# Altium PCB Quark.PcbDoc (part 3 of 4) (continued)
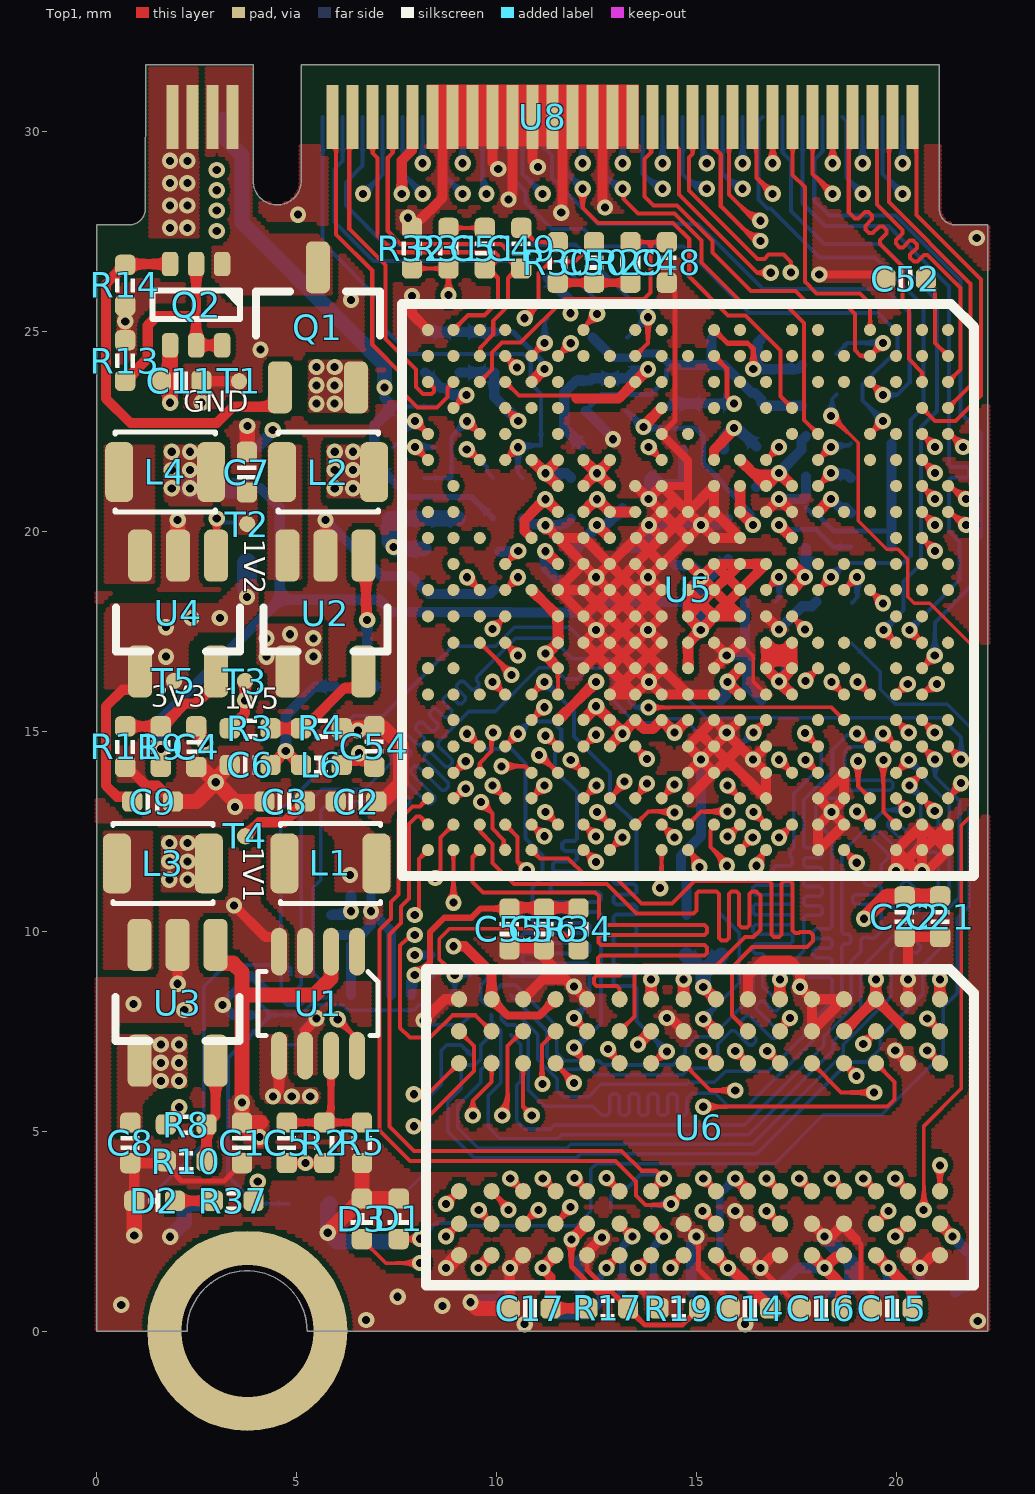
[diagram p0: Top1 view]
## Nets (pads, with @x,y where several pads share a name; then routed paths per layer and width w, separated by ;. In a path a pad name is that pad's centre, name@x,y a point inside that pad or via, vN(x,y) a via of type N, cw(c..) or ccw(c..) an arc to the next point about the centre after c; other vN are vias at no path point) (continued)
USB-DP2: U5.A7 U8.57 | length 19.4
  Top1 w0.102: U8.57@15.894,30.356 15.894,29.711 15.801,29.618 15.801,28.42 16.002,28.219 v1@16.586,27.635 ; U5.A7@21.33,21.133 v1@21.655,20.808
  Signal5 w0.102: v1@16.669,27.762 v1(16.586,27.762) 16.504,27.762 16.379,27.637 16.188,27.637 15.9,27.35 15.9,25.65 17.602,23.949 17.602,19.858 18.064,19.395 19.396,19.395 20.041,18.75 21.341,18.75 22.098,19.507 22.098,20.442 v1(21.731,20.808)
USB-DP3: U5.B8 U8.53 | length 14.5
  Top1 w0.102: U8.53@14.894,30.356 14.894,29.434 14.801,29.341 14.801,28.522 16.516,26.806 16.687,26.806 16.794,26.914 17.17,26.914 17.348,26.736 v1(17.348,26.467) ; U5.B8@20.629,20.483 v1(20.954,20.158)
  Signal5 w0.102: v1(17.348,26.467) 17.348,26.384 17.223,26.26 17.223,26.058 19.152,24.13 19.152,21.234 20.426,19.96 20.743,19.96 20.941,20.158 v1(20.954,20.158)
VCC-DRAM: C13.2 C14.2 C15.2 C16.2 C17.2 C18.2 C19.2 C20.2 C23.2 L2.2 R3.1 R17.2 T3.0 U5.L16 U5.M16 U5.N16 U5.P16 U5.P17 U5.R16 U5.T12 U5.T13 U5.T14 U5.T15 U5.U11 U6.A1 U6.A8 U6.B2 U6.C1 U6.C9 U6.D2 U6.D9 U6.E9 U6.F1 U6.G7 U6.H2 U6.H9 U6.K2 U6.K8 U6.N1 U6.N9 U6.R1 U6.R9 | length 48.1
  Top1 w0.089: U5.T15@11.528,15.917 U5.T14@11.528,16.577
  Top1 w0.102: U6.R1@9.854,8.301 U6.R1@9.867,8.288
  Top1 w0.203: U6.R1@9.867,8.301 9.867,8.288 10.261,7.894 11.061,7.894 U6.N1@11.467,8.301
  Top1 w0.254: R3.1@3.324,15.072 3.705,15.453 v1(3.705,15.773) T3.0@3.705,16.256 ; v1(8.912,9.627) 9.195,9.627 9.867,8.954 U6.R1@9.867,8.301 ; v1(9.537,1.583) U6.R9@9.854,1.9 ; U5.U11@10.868,18.533 U5.T12@11.528,17.873 U5.T13@11.528,17.212 11.211,16.895 U5.T14@11.528,16.577 ; U6.N9@11.467,1.9 11.455,1.9 v1(11.137,1.583) 11.137,1.559 11.339,1.358 C17.2@11.339,0.569 11.344,0.574 R17.2@12.263,0.574 ; U5.R16@12.163,15.282 12.481,15.599 12.506,15.599 U5.P16@12.824,15.282 v1@13.141,14.964 ; U5.P17@12.824,14.622 12.824,14.635 12.849,14.661 12.849,14.672 v1@13.141,14.964 ; v1(13.525,7.17) U6.K2@13.842,7.488 ; U6.K8@13.855,2.688 v1(14.173,2.37) ; U5.L16@14.779,15.282 14.766,15.282 14.74,15.257 14.729,15.257 v1(14.436,14.964) U5.M16@14.119,15.282 13.894,15.057 13.684,15.057 U5.N16@13.459,15.282 v1@13.141,14.964 ; v1(15.157,7.805) U6.H2@15.474,7.488 ; U6.H9@15.461,1.9 v1(15.779,1.583) 15.808,1.553 15.871,1.553 16.708,0.716 16.708,0.701 C14.2@16.835,0.574 ; v1(15.957,3.818) U6.G7@16.274,3.5 ; U6.F1@17.074,8.301 v1(17.074,8.796) ; U6.E9@17.874,1.9 v1(18.192,1.583) ; C16.2@18.613,0.574 18.613,1.161 v1(18.192,1.583) ; U6.D9@18.674,1.9 18.645,1.871 18.48,1.871 v1(18.192,1.583) ; U6.D2@18.674,7.501 U6.C1@19.474,8.301 ; U6.C9@19.474,1.9 v1(19.792,1.583) 20.364,1.011 20.364,0.602 C15.2@20.391,0.574 ; v1(19.474,8.796) U6.C1@19.474,8.301 ; U6.B2@20.274,7.501 U6.C1@19.474,8.301 ; U6.A8@21.074,2.688 v1(21.392,2.37) ; U6.A1@21.074,8.301 v1(21.074,8.796)
  Signal2 w0.254: v1(3.705,15.773) 3.705,15.815 3.823,15.933 3.823,17.632 5.004,18.813 5.004,20.162 5.915,21.073 v1(5.945,21.073) ; v1(11.211,16.946) 11.553,16.946 12.014,16.485 12.014,16.091 v1(12.481,15.625)
  Bottom6 w0.089: v1(15.157,7.805) 16.053,8.701 16.053,9.967 C23.2@15.638,10.382
  Bottom6 w0.102: C23.2@15.606,10.414 C23.2@15.638,10.382
  Bottom6 w0.178: C20.2@13.843,0.965 13.919,1.041 13.919,2.117 v1(14.173,2.37) ; v1(15.779,1.583) 15.779,1.592 15.57,1.801 15.57,3.431 v1(15.957,3.818)
  Bottom6 w0.254: v1(15.779,1.583) 16.396,0.965 C19.2@16.891,0.965 17.508,1.583 v1(18.192,1.583) ; C13.2@19.685,0.965 19.792,1.072 v1(19.792,1.583) ; v1(21.392,2.37) 21.869,1.892 21.869,1.241 21.721,1.092 21.582,1.092 C18.2@21.455,0.965
  other v1: 13.141,14.939 6.403,21.073 5.945,21.53 6.403,21.53 5.945,21.988 6.403,21.988
VDD1V1-EPHY: C38.2 R7.2 U5.F8 | length 2
  Top1 w0.254: U5.F8@18.029,20.483 v1(18.354,20.808)
  Bottom6 w0.254: R7.2@3.75,21.986 3.877,22.113 4.028,22.113 4.365,22.45 4.365,22.501 v1(4.394,22.53) v1@4.394,22.57 ; v1@18.364,20.803 18.367,20.803 18.579,20.59 18.72,20.59 C38.2@18.847,20.463
VDD1V2-SYS: C7.2 C34.2 C35.2 C36.2 L4.2 R7.1 R9.2 T2.0 U5.H10 U5.J10 U5.J11 U5.J12 U5.K10 U5.K11 U5.K12 U5.L10 U5.L11 U5.L12 U5.L13 U5.L14 | length 36.5
  Top1 w0.254: R9.2@1.596,14.107 1.598,14.109 1.598,14.552 v1(1.6,14.554) v1@1.596,14.558 ; U5.L14@14.779,16.577 U5.L13@14.779,17.212 v1(15.097,17.53) ; U5.L11@14.779,18.533 U5.L12@14.779,17.873 14.779,17.859 14.805,17.834 14.805,17.822 v1(15.097,17.53) ; U5.L10@14.779,19.183 v1(15.104,18.858) ; U5.L12@14.816,17.92 U5.K11@15.429,18.533 v1(15.104,18.858) ; U5.L11@14.816,18.486 U5.K12@15.429,17.873 ; U5.L11@14.816,18.57 v1(15.104,18.858) ; U5.K12@15.466,17.92 U5.J11@16.079,18.533 15.754,18.858 ; U5.K11@15.466,18.486 U5.J12@16.079,17.873 15.44,17.873 v1(15.097,17.53) ; U5.K11@15.466,18.57 15.754,18.858 ; U5.K10@15.466,19.146 15.754,18.858 ; U5.J11@16.116,18.57 U5.H10@16.729,19.183 U5.J10@16.079,19.183 ; v1(15.104,18.858) U5.K10@15.429,19.183 U5.J10@16.079,19.183 ; 15.754,18.858 U5.J10@16.079,19.183
  Bottom6 w0.254: v1(1.6,14.554) 1.6,15.316 4.572,18.288 ; R7.1@3.647,21.073 4.089,21.073 4.572,20.591 4.572,18.288 ; C34.2@14.436,19.177 14.465,19.148 14.872,19.148 15.134,18.887 15.362,18.887 C35.2@15.779,19.304 ; v1(15.097,17.53) 15.097,18.145 C36.2@15.189,18.237 C36.2@15.104,18.237 ; v1(15.104,18.858) C36.2@15.104,18.237 ; 4.572,18.288 7.058,18.288 7.363,17.983 10.338,17.983 10.351,17.97 12.329,17.97 12.595,18.237 C36.2@15.104,18.237
  Bottom6 w0.508: v1(2.329,21.073) R7.1@3.647,21.073
  other v1: 1.871,21.073 1.871,21.53 2.329,21.53 1.871,21.988 2.329,21.988
VDD-CPUS: C29.2 C30.2 U5.J7 U5.J8 U5.M4 | length 6.7
  Top1 w0.254: v1(13.665,22.606) 13.665,22.629 U5.M4@14.119,23.083 ; U5.J7@16.079,21.133 U5.J8@16.079,20.483 v1(16.404,20.158)
  Bottom6 w0.127: C30.2@13.233,23.01 13.638,22.606 v1(13.665,22.606) 13.691,22.581 14.961,22.581 15.164,22.377 15.164,21.692 C29.2@15.672,21.184 15.672,21.149 15.862,20.959 15.862,20.942 16.374,20.431 16.374,20.188 v1(16.404,20.158)
VDD-CPUX: C2.2 C3.2 C39.2 C40.2 C41.2 L1.2 R26.2 T4.0 U1.5 U5.N8 U5.P6 U5.P7 U5.P8 U5.P9 U5.R6 U5.R7 U5.R8 U5.T6 U5.T7 U5.T8 U5.U6 U5.U9 | length 33.5
  Top1 w0.254: T4.0@3.705,12.374 4.056,12.725 4.685,12.725 C3.2@5.203,13.244 ; v1(4.405,5.867) 4.553,6.016 U1.5@4.553,6.889 ; U5.U9@10.868,19.833 10.693,20.008 10.693,20.283 v1(11.211,20.801) U5.T8@11.528,20.483 ; U5.U6@10.868,21.783 v1@11.185,21.466 ; v1(11.211,21.451) U5.T7@11.528,21.133 ; v1@11.211,21.466 U5.T6@11.528,21.783 ; U5.R8@12.163,20.483 v1@12.481,20.801 ; U5.R7@12.163,21.133 v1@12.481,21.451 ; U5.R6@12.163,21.783 v1@12.481,21.466 ; v1(12.499,20.158) U5.P9@12.824,19.833 ; v1(12.506,20.801) U5.P8@12.824,20.483 U5.N8@13.459,20.483 ; U5.P7@12.824,21.133 v1(12.506,21.451) U5.P6@12.824,21.768
  Signal2 w0.254: v1(5.334,5.867) 6.858,7.391 6.858,9.017 7.271,9.43 7.271,11.405 ; v1(6.325,11.405) 7.271,11.405 ; v1(11.211,21.451) v1(11.211,20.801) ; v1(12.499,20.158) 12.499,20.793 v1(12.506,20.801) ; v1(12.506,21.451) v1(12.506,20.801) ; 7.271,11.405 7.271,15.878 9.982,18.589 9.982,19.572 v1(11.211,20.801) ; v1(11.211,20.801) v1(12.506,20.801)
  Bottom6 w0.254: v1(11.211,21.451) 11.74,21.451 C41.2@11.854,21.336 ; R26.2@11.854,19.456 12.469,20.071 12.469,20.129 v1(12.499,20.158) ; 12.757,20.187 C40.2@13.144,20.574
  other v1: 4.869,5.867
VDD_5V: C1.2 C4.2 C8.2 C11.2 Q1.2 Q2.4 U1.2 U2.4 U3.1 U3.4 U8.1 U8.3 | length 10.9
  Top1 w0.381: v1(1.83,23.214) Q2.4@1.83,24.648 ; C4.2@2.485,15.123 2.549,15.06 2.549,14.875 2.71,14.713 v1(2.71,14.707) ; U3.1@2.968,9.658 2.968,9.308 3.078,9.199 3.405,9.199 3.628,8.976 C1.2@3.628,5.217 ; 3.683,8.407 5.436,8.407 5.853,8.825 U1.2@5.853,9.489 ; v1@4.064,4.782 C1.2@3.628,5.217 ; 4.1,5.217 C1.2@3.628,5.217
  other v1: 4.064,4.858 3.628,5.715 1.598,6.253 2.055,6.253 1.598,6.711 2.055,6.711 1.598,7.168 2.055,7.168 4.242,16.866 5.41,16.866 4.242,17.323 5.41,17.323 4.826,17.424 5.486,23.19 5.944,23.19 5.486,23.647 5.944,23.647 5.486,24.105 5.944,24.105 1.829,27.584 2.261,27.584 1.829,28.143 2.261,28.143 1.829,28.702 2.261,28.702 1.829,29.261 2.261,29.261
VDD_AV_3.3V: C10.2 C12.2 C37.1 C42.2 L5.2 R21.2 R22.2 R23.2 R24.2 R27.1 R28.1 U5.G9 U5.K6 U5.N3 U5.V3 U8.6 | length 28.9
  Top1 w0.102: U5.V3@10.207,23.733 10.547,23.393 11.989,23.393
  Top1 w0.254: 11.989,23.317 13.043,23.317 U5.N3@13.459,23.733 v1(13.776,24.051) ; U5.K6@15.429,21.783 15.429,22.033 v1@15.875,22.479 ; v1(17.054,20.158) U5.G9@17.379,19.833
  Bottom6 w0.102: R27.1@7.403,23.114 R28.1@8.433,23.114
  Bottom6 w0.127: v1(17.054,20.158) 17.13,20.158 17.248,20.041 17.983,20.041 18.422,19.601 C42.2@18.847,19.601
  Bottom6 w0.152: C12.2@7.315,21.336 7.798,20.853 9.373,20.853 R22.2@9.906,20.32
  Bottom6 w0.254: U8.6@3.144,30.356 3.167,30.333 U8.6@3.167,29.853 ; v1(7.188,23.597) 7.188,23.329 R27.1@7.403,23.114 6.933,22.644 6.933,21.718 C12.2@7.315,21.336 ; R24.2@11.263,26.332 11.831,25.764 v1@11.831,25.456 ; v1@11.807,25.48 v1@11.831,25.456 ; v1(11.836,25.451) v1@11.831,25.456 ; R21.2@12.116,22.149 11.684,22.581 11.684,23.47 11.985,23.771 12.341,23.771 C10.2@12.395,23.825 R23.2@13.259,23.825 13.455,24.021 13.747,24.021 v1(13.776,24.051) ; C37.1@15.672,22.047 15.675,22.051 15.675,22.378 15.824,22.527 16.079,22.527 L5.2@16.485,22.121
  Bottom6 w0.381: U8.6@3.167,29.853 3.628,29.392 3.628,27.715 7.188,24.155 v1(7.188,23.597)
  other v1: 15.926,22.581
VDD_CPUFB: C5.2 R2.2 R26.1 U5.T10 | length 20.7
  Top1 w0.102: C5.2@4.746,4.204 v1(5.216,4.204) R2.2@5.686,4.204
  Top1 w0.254: v1(11.211,19.501) U5.T10@11.528,19.183
  Signal2 w0.102: v1(5.216,4.204) 5.216,5.013 7.214,7.01 7.214,8.763 7.595,9.144 7.595,15.773 10.236,18.415 10.668,18.415 11.211,18.958 v1(11.211,19.501)
  Bottom6 w0.254: v1(11.211,19.501) 11.211,19.084 R26.1@11.854,18.44
VDD_EMMC_3.3V: C54.2 C55.2 C56.2 L6.2 R34.1 U7.E6 U7.F5 U7.J10 U7.K9 | length 7.9
  Top1 w0.089: C55.2@10.312,10.566 C55.2@10.338,10.592
  Top1 w0.152: v1(7.945,8.908) 8.014,8.908 8.331,9.225 8.331,9.982 8.687,10.338 9.36,10.338 9.588,10.566 C55.2@10.312,10.566
  Top1 w0.254: L6.2@6.118,14.158 6.216,14.256 6.484,14.256 6.548,14.321 6.628,14.241 6.807,14.241 C54.2@6.934,14.114 ; C55.2@10.338,10.592 R34.1@12.04,10.592
  Bottom6 w0.089: v1(7.945,8.908) v1@8.13,8.908
  Bottom6 w0.254: U7.K9@5.852,10.408 6.173,10.408 6.266,10.501 v1(6.352,10.501) 6.352,10.686 U7.J10@6.352,10.908 ; U7.F5@7.852,8.408 v1@7.852,8.729 ; v1@8.13,8.908 U7.E6@8.352,8.908
  other v1: 6.553,14.453
VDD_SYS_3.3V: C6.2 C9.2 C25.2 C26.2 C27.2 C28.2 L3.2 L5.1 L6.1 R1.2 R6.2 R8.1 T5.0 U4.4 U5.G7 U5.G10 U5.G11 U5.G13 U5.G14 U5.G15 U5.H7 U5.H13 U5.H14 U5.J6 U5.J14 U5.J15 U8.2 U8.4 | length 21.9
  Top1 w0.254: C9.2@0.885,13.244 0.768,13.36 0.508,13.36 0.229,13.64 0.229,15.621 0.645,16.037 0.907,16.037 1.078,16.208 U4.4@1.078,16.496 ; R8.1@1.724,5.168 2.032,5.476 2.032,5.575 v1(2.057,5.6) ; C6.2@4.34,14.158 4.467,14.285 4.496,14.285 4.699,14.488 4.742,14.488 4.946,14.285 4.975,14.285 L6.1@5.102,14.158 ; U5.J15@16.079,15.917 v1(15.762,16.234) U5.J14@16.087,16.559 ; U5.J6@16.079,21.783 16.448,21.415 16.97,21.415 17.013,21.458 v1(17.054,21.458) ; U5.J6@16.116,21.746 U5.H7@16.729,21.133 v1(17.054,21.458) ; U5.H14@16.729,16.577 U5.H13@16.729,17.212 ; U5.H13@16.766,17.19 U5.G14@17.379,16.577 U5.G13@17.379,17.212 ; U5.G13@17.342,17.18 16.729,16.567 v1(17.054,16.242) ; U5.G15@17.379,15.917 v1(17.054,16.242) ; U5.G14@17.379,16.567 v1(17.054,16.242) ; U5.G11@17.379,18.533 v1(17.704,18.858) U5.G10@17.379,19.183 ; U5.G7@17.379,21.133 v1(17.054,21.458)
  Bottom6 w0.254: v1(4.721,14.503) 4.721,15.389 5.451,16.119 R1.2@5.964,16.119 ; C28.2@15.596,15.773 15.723,15.9 15.723,16.154 15.762,16.193 v1(15.762,16.234) ; L5.1@16.485,21.105 16.608,21.229 16.825,21.229 v1(17.054,21.458) 17.054,21.474 17.611,22.031 17.611,22.259 C26.2@17.729,22.377 ; v1(17.054,16.242) 17.054,16.283 17.235,16.464 17.235,16.858 C25.2@17.272,16.895 ; v1(17.704,18.858) 17.729,18.883 C27.2@17.729,19.574
  Bottom6 w0.508: 3.75,18.584 R6.2@3.75,19.202
  other v1: 1.81,11.289 2.268,11.289 1.81,11.746 2.268,11.746 1.81,12.204 2.268,12.204 1.727,16.866 1.727,17.602 2.362,17.834 3.073,17.834 3.75,18.355 2.997,27.508 2.997,28.016 2.997,28.524 2.997,29.032
VDD_USB_5V: Q1.3 Q2.1 U8.5 U8.7
XIN: C32.2 U5.K2 Y1.1 | length 3
  Top1 w0.127: U5.K2@15.429,24.383 15.747,24.066 15.747,23.369 v1(15.926,23.19)
  Bottom6 w0.254: C32.2@14.351,23.139 14.402,23.19 v1(15.926,23.19)
XOUT: C31.1 U5.K1 Y1.3 | length 3.8
  Top1 w0.127: U5.K1@15.429,25.033 15.762,24.701 16.27,24.701 16.412,24.558 16.412,24.057 v1(16.408,24.054)
  Bottom6 w0.254: Y1.3@16.617,24.816 16.518,24.717 16.518,24.205 16.408,24.095 v1(16.408,24.054) 17.526,24.054 C31.1@17.628,24.155
pads on no net: U1.1 U5.A1 U5.A10 U5.A11 U5.A13 U5.A14 U5.A16 U5.AA2 U5.AA8 U5.AA9 U5.AA11 U5.AA12 U5.AA14 U5.AA15 U5.AA17 U5.AA18 U5.B1 U5.B2 U5.B10 U5.B11 U5.B12 U5.C1 U5.C2 U5.C3 U5.C5 U5.C6 U5.C7 U5.C8 U5.C9 U5.C10 U5.C11 U5.C12 U5.C14 U5.D6 U5.D8 U5.D10 U5.D13 U5.E2 U5.E3 U5.E8 U5.E10 U5.E13 U5.E14 U5.F1 U5.F2 U5.F3 U5.F10 U5.F13 U5.F16 U5.G1 U5.G2 U5.G5 U5.H2 U5.H3 U5.H4 U5.J1 U5.J2 U5.J3 U5.K3 U5.K4 U5.L2 U5.L5 U5.M1 U5.M2 U5.M3 U5.N1 U5.P2 U5.P3 U5.R2 U5.T3 U5.T4 U5.T5 U5.U4 U5.V1 U5.V5 U5.W1 U5.W9 U5.W12 U5.W15 U5.Y2 U5.Y7 U5.Y8 U5.Y9 U5.Y10 U5.Y11 U5.Y12 U5.Y13 U5.Y14 U5.Y15 U5.Y16 U5.Y17 U7.A1 U7.A2 U7.A7 U7.A8 U7.A9 U7.A10 U7.A11 U7.A12 U7.A13 U7.A14 U7.B1 U7.B7 U7.B8 U7.B9 U7.B10 U7.B11 U7.B12 U7.B13 U7.B14 U7.C1 U7.C3 U7.C5 U7.C7 U7.C8 U7.C9 U7.C10 U7.C11 U7.C12 U7.C13 U7.C14 U7.D1 U7.D2 U7.D3 U7.D4 U7.D12 U7.D13 U7.D14 U7.E1 U7.E2 U7.E3 U7.E5 U7.E8 U7.E9 U7.E10 U7.E12 U7.E13 U7.E14 U7.F1 U7.F2 U7.F3 U7.F10 U7.F12 U7.F13 U7.F14 U7.G1 U7.G2 U7.G3 U7.G10 U7.G12 U7.G13 U7.G14 U7.H1 U7.H2 U7.H3 U7.H5 U7.H12 U7.H13 U7.H14 U7.J1 U7.J2 U7.J3 U7.J12 U7.J13 U7.J14 U7.K1 U7.K2 U7.K3 U7.K6 U7.K7 U7.K10 U7.K12 U7.K13 U7.K14 U7.L1 U7.L2 U7.L3 U7.L12 U7.L13 U7.L14 U7.M1 U7.M2 U7.M3 U7.M7 U7.M8 U7.M9 U7.M10 U7.M11 U7.M12 U7.M13 U7.M14 U7.N1 U7.N3 U7.N6 U7.N7 U7.N8 U7.N9 U7.N10 U7.N11 U7.N12 U7.N13 U7.N14 U7.P1 U7.P2 U7.P7 U7.P8 U7.P9 U7.P10 U7.P11 U7.P12 U7.P13 U7.P14

## Polygon pours and split planes (outlines as drawn)
GND on Top1 "Top1-No Net" (hatched Horizontal grid 0.102 track 0.127, remove dead copper, pour order 38): 0,0 -0.004,27.661 0.811,27.661 ccw(c0.81,28.062) 1.211,28.061 1.216,31.661 3.906,31.658 3.906,28.761 ccw(c4.506,28.761) 5.106,28.761 5.106,31.661 21.061,31.661 21.061,28.061 ccw(c21.46,28.06) 21.461,27.661 22.272,27.661 22.272,0 5.255,0 ccw(c3.755,0.011) 2.255,0
VDD_5V on Top1 "Top1-VDD_5V 1" (hatched Horizontal grid 0.102 track 0.127, remove dead copper, pour order 30): 3.327,5.74 3.505,5.918 3.75,5.918 3.906,5.763 3.906,5.73 3.906,5.619 4.267,5.258 4.267,4.592 3.851,4.592 3.327,5.116
VDD_SYS_3.3V on Top1 "Top1-VDD_SYS_3.3V" (hatched Horizontal grid 0.102 track 0.127, remove dead copper, pour order 28): 3.08,10.998 3.08,12.395 1.658,12.395 1.658,10.998
NetL3_1 on Top1 "Top1-NetL3_1" (hatched Horizontal grid 0.102 track 0.127, remove dead copper, pour order 26): 1.346,9.058 0.203,9.058 0.203,12.497 1.346,12.497
VDD_5V on Top1 "Top1-VDD_5V 2" (hatched Horizontal grid 0.102 track 0.127, remove dead copper, pour order 24): 0.558,7.422 0.558,5.004 1.092,5.004 1.092,5.697 1.496,6.101 2.207,6.101 2.207,7.422
VDD-CPUX on Top1 "Top1-VDD-CPUX" (hatched Horizontal grid 0.102 track 0.127, remove dead copper, pour order 22): 4.724,7.417 4.724,6.299 4.902,6.121 5.385,6.121 5.537,5.969 5.537,5.791 5.436,5.69 4.293,5.69 4.115,5.867 4.115,7.417
VDD-CPUX on Top1 "Top1-VDD-CPUX 1" (hatched Horizontal grid 0.102 track 0.127, remove dead copper, pour order 20): 7.315,10.973 5.994,10.973 5.994,12.288 5.531,12.751 5.055,12.751 4.978,12.827 4.978,13.487 6.452,13.487 6.452,12.878 6.883,12.446 7.315,12.446
NetL1_1 on Top1 "Top1-NetL1_1" (hatched Horizontal grid 0.102 track 0.127, remove dead copper, pour order 18): 5.385,8.89 5.385,12.395 4.293,12.395 4.293,10.795 5.004,10.084 5.004,8.89
VDD_SYS_3.3V on Top1 "Top1-VDD_SYS_3.3V 1" (hatched Horizontal grid 0.102 track 0.127, remove dead copper, pour order 16): 0.229,17.983 0.483,18.237 3.099,18.237 3.658,18.796 3.886,18.796 3.988,18.694 3.988,17.983 3.454,17.45 2.485,17.45 2.235,17.2 2.235,16.037 0.907,16.037 0.229,16.027
VDD1V2-SYS on Top1 "Top1-VDD1V2-SYS" (hatched Horizontal grid 0.102 track 0.127, remove dead copper, pour order 14): 3.962,21.234 3.962,20.031 3.907,19.964 3.581,19.964 3.531,20.015 3.531,20.625 3.48,20.676 1.844,20.676 1.719,20.801 1.719,22.2 3.141,22.2 3.141,21.39 3.297,21.234
NetL4_1 on Top1 "Top1-NetL4_1" (hatched Horizontal grid 0.102 track 0.127, remove dead copper, pour order 12): 1.397,18.745 1.397,22.174 0.229,22.174 0.229,18.746 0.228,18.745
VDD_5V on Top1 "Top1-VDD_5V 3" (hatched Horizontal grid 0.102 track 0.127, remove dead copper, pour order 10): 4.039,16.716 4.315,16.44 4.315,16.005 4.47,15.85 5.131,15.85 5.583,16.302 5.583,17.648 4.039,17.653
VCC-DRAM on Top1 "Top1-VCC-DRAM" (hatched Horizontal grid 0.102 track 0.127, remove dead copper, pour order 8): 7.215,20.819 7.215,21.962 7.038,22.14 5.793,22.14 5.793,20.819
NetL2_1 on Top1 "Top1-NetL2_1" (hatched Horizontal grid 0.102 track 0.127, remove dead copper, pour order 6): 5.08,18.771 5.08,22.174 4.318,22.174 4.318,18.771
VDD_USB_5V on Top1 "Top1-VDD_5V" (hatched Horizontal grid 0.102 track 0.127, remove dead copper, pour order 4): 3.835,27.889 4.242,27.483 5.41,27.483 5.842,27.051 5.842,25.908 3.367,25.908 2.921,26.354 2.921,27.207 2.747,27.381 2.747,31.598 3.835,31.598
VDD_5V on Top1 "Top1-VDD_5V 4" (hatched Horizontal grid 0.102 track 0.127, remove dead copper, pour order 2): 6.756,22.936 6.756,24.079 6.579,24.257 5.334,24.257 5.334,22.936
VDD_5V on Top1 "Top1-VDD_5V" (hatched Horizontal grid 0.102 track 0.127, remove dead copper, pour order 0): 2.515,27.381 1.346,27.381 1.346,31.598 2.515,31.598
GND on Signal2 "Top1-No Net" (hatched Horizontal grid 0.102 track 0.127, remove dead copper, pour order 39): 0,0 -0.004,27.661 0.811,27.661 ccw(c0.81,28.062) 1.211,28.061 1.216,31.661 3.906,31.658 3.906,28.761 ccw(c4.506,28.761) 5.106,28.761 5.106,31.661 21.061,31.661 21.061,28.061 ccw(c21.46,28.06) 21.461,27.661 22.272,27.661 22.272,0 5.255,0 ccw(c3.755,0.011) 2.255,0
VDD_SYS_3.3V on Signal2 "Signal2-VDD_SYS_3.3V" (hatched Horizontal grid 0.102 track 0.127, remove dead copper, pour order 36): 2.456,29.342 2.53,29.416 3.705,29.416 3.81,29.312 3.81,26.543 1.524,24.257 1.524,18.919 1.695,18.748 4.039,18.748 4.039,18.012 3.528,17.501 2.87,17.501 1.695,16.325 1.695,15.668 1.695,13.385 2.692,12.387 2.692,11.151 2.464,10.922 0.051,10.922 0.051,25.962 0.051,26.241 1.092,27.283 2.398,27.283 2.456,27.34
GND on Bottom6 "Top1-No Net" (hatched Horizontal grid 0.102 track 0.127, remove dead copper, pour order 43): 0,0 -0.004,27.661 0.811,27.661 ccw(c0.81,28.062) 1.211,28.061 1.216,31.661 3.906,31.658 3.906,28.761 ccw(c4.506,28.761) 5.106,28.761 5.106,31.661 21.061,31.661 21.061,28.061 ccw(c21.46,28.06) 21.461,27.661 22.272,27.661 22.272,0 5.255,0 ccw(c3.755,0.011) 2.255,0
VDD_SYS_3.3V on Bottom6 "Bottom6-VDD_SYS_3.3V" (hatched Horizontal grid 0.102 track 0.127, remove dead copper, pour order 32): 3.327,25.105 3.327,29.233 2.87,29.721 2.87,31.217 1.245,31.217 1.245,27.508 0.051,26.314 0.051,6.658 0.051,6.302 1.003,5.35 2.268,5.35 2.268,5.893 1.524,5.893 1.245,6.172 1.245,9.703 2.692,11.151 2.692,12.161 1.245,13.609 1.245,15.392 4.039,18.186 4.039,19.456 1.905,19.456 1.524,19.837 1.524,23.302
GND on Signal5 "Top1-No Net" (hatched Horizontal grid 0.102 track 0.127, remove dead copper, pour order 41): 0,0 -0.004,27.661 0.811,27.661 ccw(c0.81,28.062) 1.211,28.061 1.216,31.661 3.906,31.658 3.906,28.761 ccw(c4.506,28.761) 5.106,28.761 5.106,31.661 21.061,31.661 21.061,28.061 ccw(c21.46,28.06) 21.461,27.661 22.272,27.661 22.272,0 5.255,0 ccw(c3.755,0.011) 2.255,0
VCC-DRAM on Power4 (split plane): 195 vertices, not listed, extent 0.51,0.51 21.762,31.151
VDD_5V on Power4 (split plane): 2.611,30.874 2.618,30.869 2.618,27.381 2.618,26.234 2.627,26.185 2.656,26.143 2.986,25.813 4.15,24.648 4.192,24.62 4.242,24.61 6.037,24.61 6.221,24.427 6.221,23.173 6.037,22.989 3.81,22.989 3.76,22.98 3.718,22.952 3.69,22.91 3.681,22.86 3.681,19.38 3.69,19.331 3.718,19.289 5.662,17.345 5.662,16.872 1.483,12.694 1.455,12.652 1.445,12.602 1.445,8.153 1.455,8.104 1.483,8.062 4.29,5.255 4.29,4.631 4.107,4.447 0.51,4.447 0.507,27.133 0.524,27.151 0.811,27.151 0.829,27.152 0.929,27.159 1.046,27.182 1.158,27.22 1.265,27.273 1.364,27.339 1.454,27.418 1.533,27.508 1.599,27.607 1.652,27.714 1.69,27.826 1.713,27.943 1.72,28.042 1.721,28.06 1.725,30.948 2.537,30.948
VDD_SYS_3.3V on Power4 (split plane): 17.498,21.892 17.498,21.565 17.498,21.542 16.698,20.742 16.67,20.7 16.66,20.65 16.66,20.091 16.67,20.042 16.698,20 16.926,19.771 16.968,19.743 17.018,19.733 17.32,19.733 17.679,19.374 17.841,19.212 17.879,19.174 17.879,18.756 17.401,18.278 17.373,18.236 17.363,18.186 17.363,16.276 17.142,16.055 15.725,16.055 14.163,17.618 14.121,17.646 14.072,17.655 9.664,17.655 9.615,17.646 9.573,17.618 7.972,16.017 7.201,15.246 6.83,14.875 6.287,14.875 6.238,14.865 6.196,14.837 1.804,10.445 1.704,10.445 1.704,12.549 5.883,16.727 7.492,18.336 15.164,18.336 15.213,18.346 15.255,18.374 15.84,18.958 15.868,19 15.877,19.05 15.877,20.874 16.525,21.522 16.717,21.713 16.909,21.905 17.485,21.905
VDD_EMMC_3.3V on Power4 (split plane): 6.754,10.294 6.764,10.244 6.792,10.202 8.049,8.945 8.049,8.793 7.798,8.793 6.073,10.518 6.073,14.348 6.341,14.616 6.754,14.616
VDD1V1-EPHY on Power4 (split plane): 4.976,20.193 4.986,20.143 5.014,20.101 5.395,19.72 5.437,19.692 5.486,19.683 10.872,19.683 10.922,19.692 10.964,19.72 11.307,20.064 13.868,20.064 13.918,20.073 13.96,20.101 16.538,22.68 17.498,22.68 18.794,21.384 18.794,20.45 18.666,20.322 17.723,20.322 17.184,20.862 17.719,21.397 17.747,21.439 17.757,21.488 17.757,21.946 17.747,21.995 17.719,22.037 17.63,22.126 17.588,22.154 17.539,22.164 16.855,22.164 16.806,22.154 16.764,22.126 16.534,21.896 16.342,21.705 15.656,21.019 15.628,20.977 15.619,20.927 15.619,19.104 15.11,18.595 7.438,18.595 7.389,18.585 7.347,18.557 5.921,17.131 5.921,17.399 5.911,17.449 5.883,17.491 3.939,19.434 3.939,22.731 4.976,22.731
VDD_AV_3.3V on Power4 (split plane): 14.615,23.429 14.657,23.401 14.707,23.391 17.65,23.391 19.302,21.74 19.302,20.297 18.869,19.865 17.554,19.865 17.465,19.954 17.423,19.982 17.374,19.992 17.072,19.992 16.919,20.145 16.919,20.597 17.001,20.679 17.578,20.101 17.62,20.073 17.67,20.064 18.72,20.064 18.769,20.073 18.811,20.101 19.015,20.305 19.043,20.347 19.052,20.396 19.052,21.438 19.043,21.487 19.015,21.529 17.643,22.901 17.601,22.929 17.551,22.939 16.485,22.939 16.435,22.929 16.393,22.901 13.815,20.322 11.253,20.322 11.204,20.313 11.162,20.285 10.818,19.941 5.54,19.941 5.235,20.247 5.235,22.731 6.091,22.731 6.141,22.74 6.183,22.768 6.442,23.027 6.47,23.069 6.479,23.119 6.479,23.921 7.358,23.921 7.541,23.738 7.541,22.99 7.033,22.481 6.005,22.481 5.955,22.472 5.913,22.444 5.596,22.126 5.568,22.084 5.558,22.035 5.558,21.185 5.568,21.136 5.596,21.094 6.055,20.635 6.097,20.607 6.147,20.597 9.754,20.597 9.803,20.607 9.845,20.635 11.115,21.905 11.143,21.947 11.153,21.996 11.153,25.169 11.534,25.55 12.494,25.55
GND on Gnd3 (split plane): 20.551,28.061 20.552,28.047 20.559,27.942 20.582,27.825 20.62,27.712 20.673,27.606 20.739,27.507 20.817,27.417 20.907,27.339 21.006,27.273 21.112,27.22 21.225,27.182 21.342,27.159 21.447,27.152 21.461,27.151 21.762,27.151 21.762,0.51 5.7,0.51 5.679,0.595 5.612,0.78 5.528,0.959 5.427,1.128 5.309,1.286 5.177,1.433 5.03,1.565 4.872,1.683 4.703,1.784 4.524,1.868 4.339,1.935 4.147,1.983 3.952,2.012 3.755,2.021 3.558,2.012 3.363,1.983 3.171,1.935 2.986,1.868 2.807,1.784 2.638,1.683 2.48,1.565 2.333,1.433 2.201,1.286 2.083,1.128 1.982,0.959 1.898,0.78 1.831,0.595 1.81,0.51 0.51,0.51 0.507,27.151 0.811,27.151 0.829,27.152 0.929,27.159 1.046,27.182 1.158,27.22 1.265,27.273 1.364,27.339 1.454,27.418 1.533,27.508 1.599,27.607 1.652,27.714 1.69,27.826 1.713,27.943 1.72,28.042 1.721,28.06 1.726,31.15 3.396,31.148 3.396,28.761 3.396,28.759 3.405,28.616 3.433,28.474 3.48,28.336 3.544,28.206 3.625,28.085 3.721,27.976 3.83,27.88 3.951,27.799 4.081,27.735 4.219,27.688 4.361,27.66 4.506,27.651 4.651,27.66 4.793,27.688 4.931,27.735 5.061,27.799 5.182,27.88 5.291,27.976 5.387,28.085 5.468,28.206 5.532,28.336 5.579,28.474 5.607,28.616 5.616,28.758 5.616,28.761 5.616,31.151 20.551,31.151

## Other copper
Top1:
  rectangle net GND: 8.255,29.619 13.553,31.166
  pour cut-out: 5.004,29.619 21.133,29.619 21.133,31.661 5.004,31.661
Bottom6:
  pour cut-out: 5.004,29.619 21.133,29.619 21.133,31.661 5.004,31.661
Power4 (plane layer: these items are gaps in the copper):
  lines w0.254: -0.025,4.318 4.161,4.318 4.42,4.577 4.42,5.309 1.575,8.153 1.575,12.602 5.791,16.819 ; 1.575,10.315 1.857,10.315 6.287,14.745 6.883,14.745 ; 2.747,31.009 2.747,27.381 2.747,26.234 4.242,24.74 ; 3.077,25.904 4.242,24.74 ; 5.105,22.86 5.105,20.193 5.486,19.812 10.872,19.812 11.253,20.193 13.868,20.193 16.485,22.809 17.551,22.809 18.923,21.438 18.923,20.396 18.72,20.193 17.67,20.193 17.054,20.808 ; 5.944,14.359 5.944,10.465 7.745,8.664 8.179,8.664 8.179,8.999 6.883,10.294 6.883,14.745 ; 6.375,24.031 6.395,24.051 7.036,24.051 7.412,24.051 7.671,23.792 7.671,22.936 7.087,22.352 6.005,22.352 5.688,22.035 5.688,21.185 6.147,20.726 9.754,20.726 11.024,21.996 11.024,25.222 11.481,25.679 12.548,25.679 14.707,23.52 17.704,23.52 19.431,21.793 19.431,20.244 18.923,19.736 17.501,19.736 17.932,19.304 ; 7.16,15.022 8.064,15.926 ; 9.779,18.466 7.438,18.466 ; 12.395,18.466 15.164,18.466 ; 17.551,21.412 16.789,20.65 ; 17.628,21.565 17.628,21.946 ; 4.242,24.74 6.091,24.74 6.35,24.481 6.35,23.119 6.091,22.86 3.81,22.86 3.81,19.38 5.791,17.399 5.791,16.819 ; 5.791,16.819 7.438,18.466 ; 6.883,14.745 9.664,17.526 14.072,17.526 15.672,15.926 17.196,15.926 17.492,16.222 17.492,18.186 18.009,18.703 ; 7.438,18.466 15.164,18.466 ; 15.164,18.466 15.748,19.05 15.748,20.927 16.434,21.613 16.625,21.805 16.855,22.034 17.539,22.034 17.628,21.946 ; 16.789,20.65 17.628,21.488 17.628,21.946 ; 16.789,20.65 16.789,20.091 17.018,19.863 17.374,19.863 18.009,19.228 ; 17.628,21.946 17.628,21.92 17.628,21.946 ; 18.009,18.703 18.009,19.228 ; 18.009,18.703 18.009,19.228
  lines w0.381: -0.025,4.318 -0.025,26.873 0.965,27.864 0.965,31.572 0.965,31.14 2.055,31.14 2.616,31.14 2.747,31.009

## Silkscreen, mask and mechanical layers (free items; w line width, h text height)
Top Overlay:
  text "GND" at 2.159,22.809 h0.89
  text "1V2" at 3.505,19.812 h0.89 r270
  text "3V3" at 1.346,15.443 h0.89
  text "1V5" at 3.175,15.392 h0.89
  text "1V1" at 3.48,12.116 h0.89 r270